# Altium PCB PCB_WINGLET_V1P_OSR.PcbDoc (part 2 of 4) (continued)
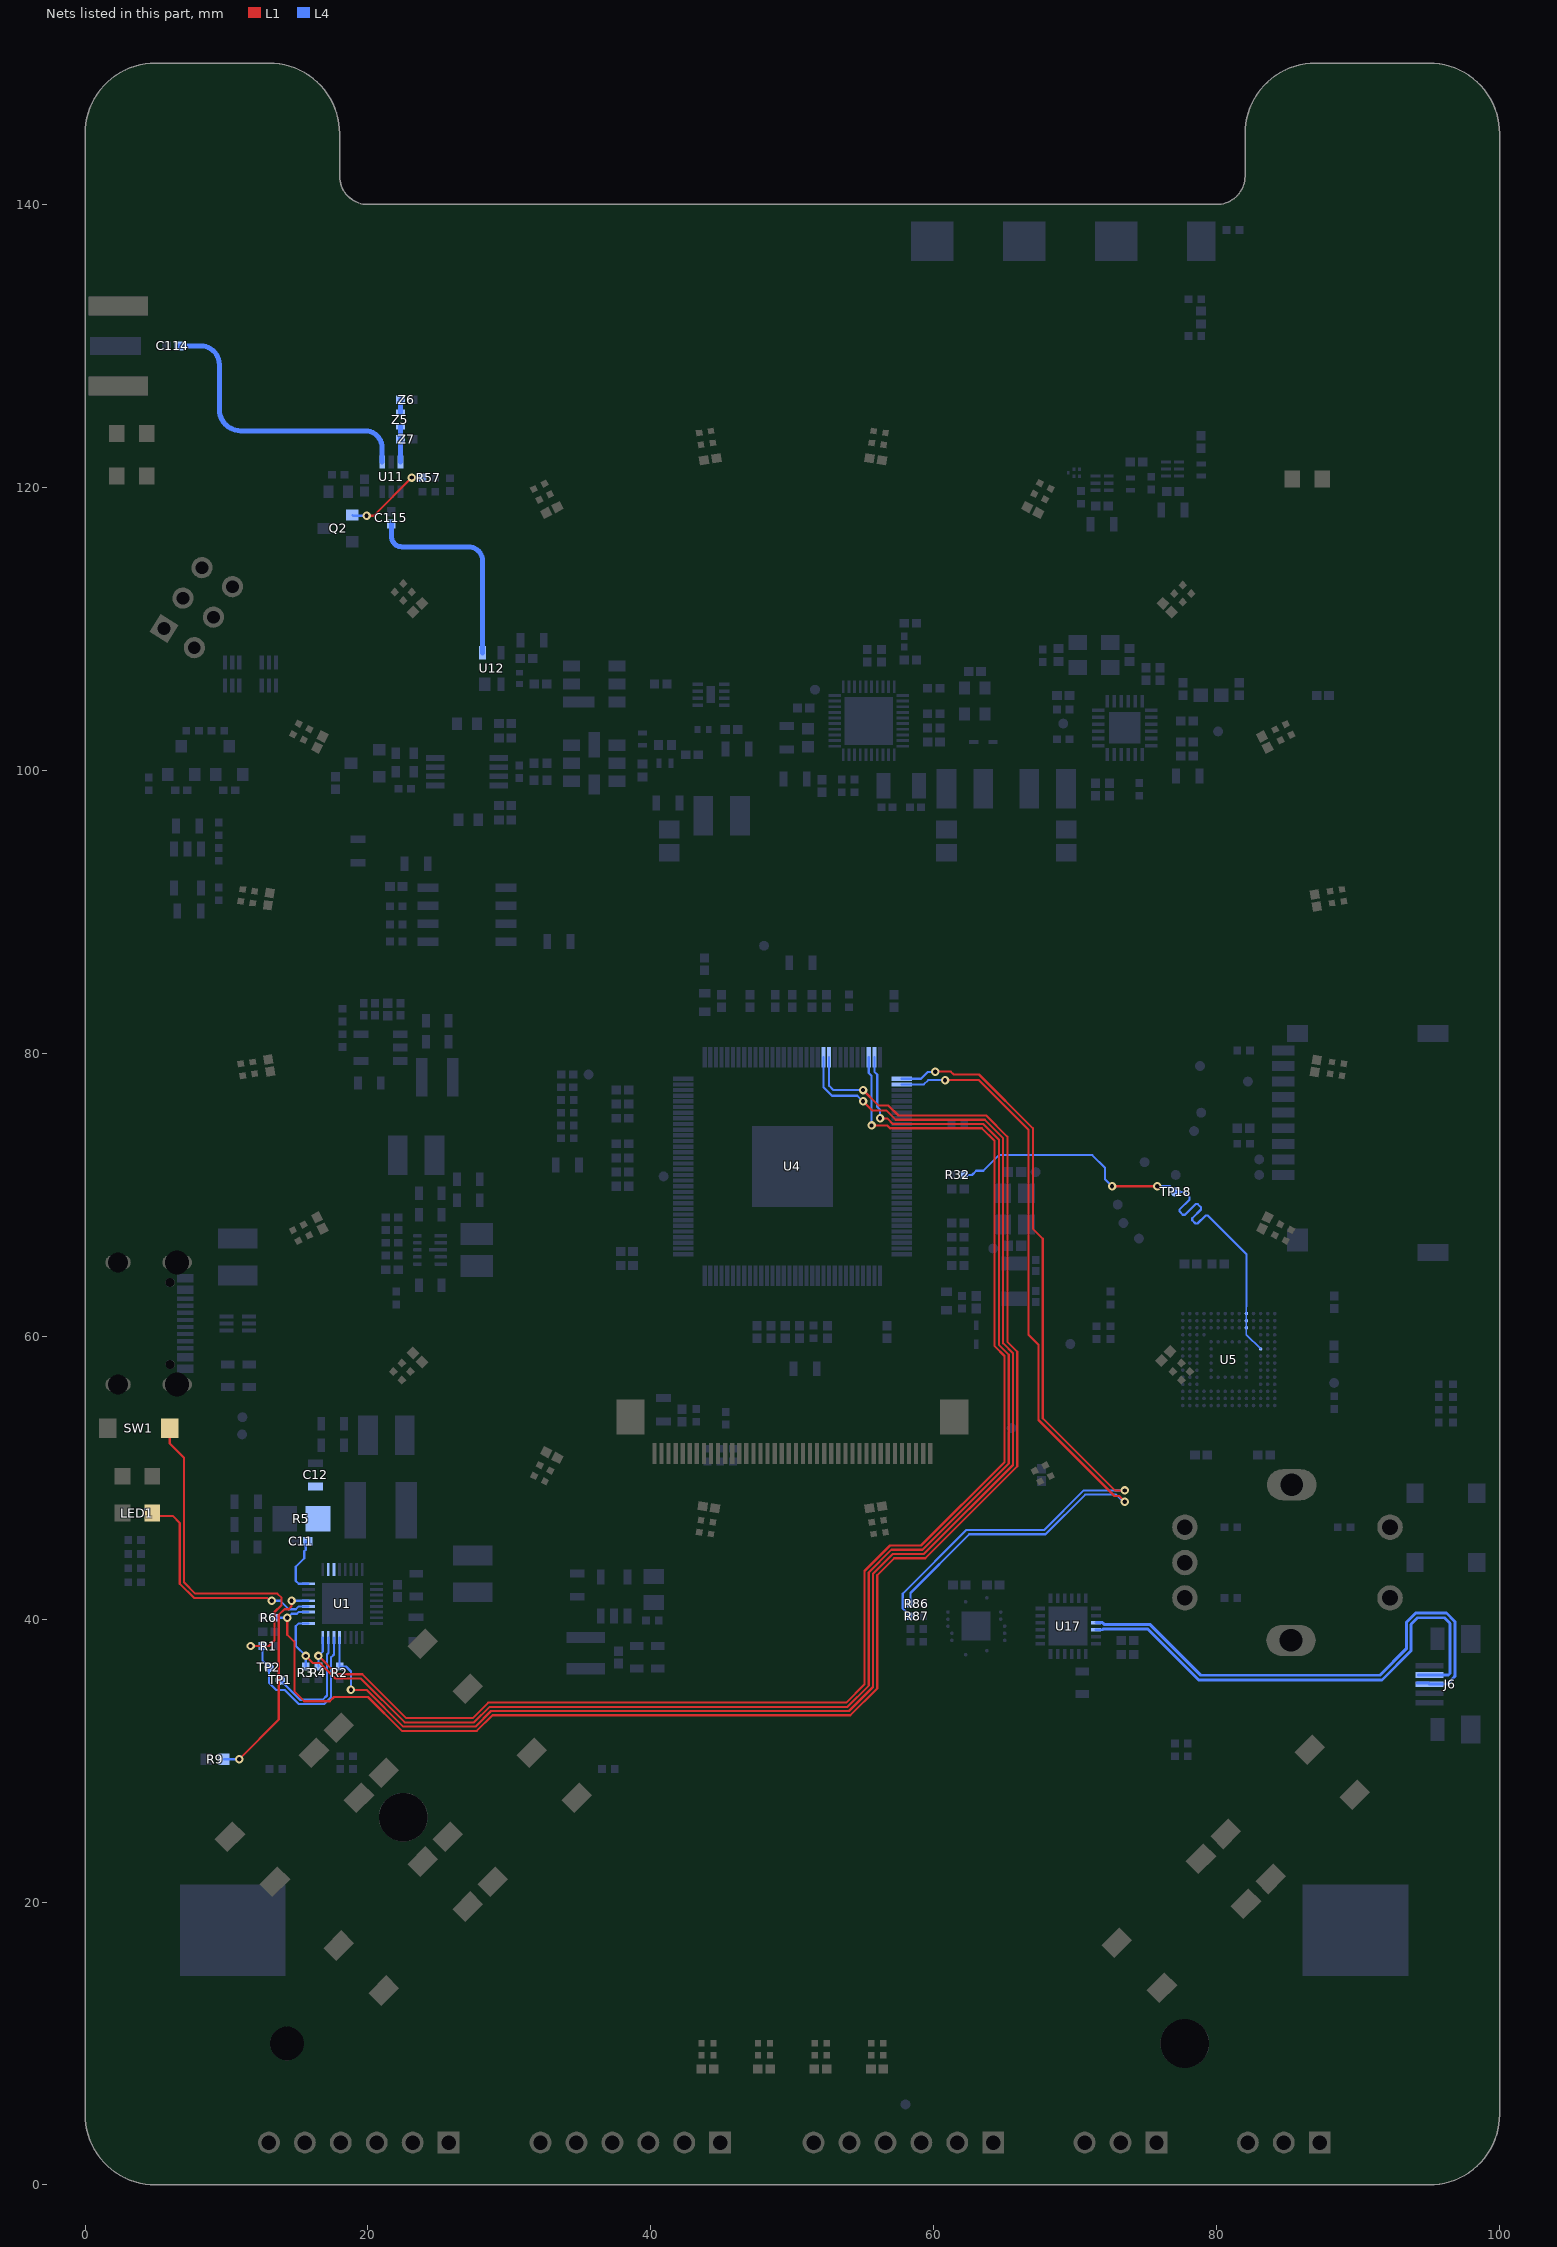
[diagram p4: the nets of this part, all layers, seen from the top]
## Part data (continued)
L6 L7: library part CMP-06042-011849-1, "Wire Wound RF Inductor 6.8nH ±3% 700mA 0.09Ω 0402 (1005) / LQW15AN6N8H00D", Case Code (Imperial)=0402, Case Code (Metric)=1005, Current=540mA, Current Rating=700mA, DC Resistance (DCR)=90mR, Inductance=6.8nH, Max Operating Temperature=125°C, Min Operating Temperature=-55°C, Package Quantity=10000, Resistor Type=Wirewound, Self Resonant Frequency=6GHz, Test Frequency=100MHz, Tolerance=3%, Case/Package=0402, Core Material=Air, DC Current=700mA, Depth=0.7mm, Height=0.5mm, Height - Seated (Max)=0.024inch, Length=1mm, Max DC Current=700mA, Military Standard=Not, Mount="Surface Mount", Packaging="Tape and Reel", Q Factor=25, Radiation Hardening=No, Shielding=Unshielded, Termination=SMD/SMT, Weight=2.8E-05oz, Width=0.02inch
L8: library part CMP-06042-000330-1, "Multilayer type RF Inductor 6.2nH ±0.3nH 0.19Ω 600mA 0402 / LQG15HN6N2S02D", Case Code (Imperial)=0402, Case Code (Metric)=1005, Current Rating=300mA, DC Resistance (DCR)=270mR, Inductance=6.2nH, Max Operating Temperature=125°C, Min Operating Temperature=-55°C, Package Quantity=1, Self Resonant Frequency=4.3GHz, Test Frequency=100MHz, Case/Package=0402, Core Material=Air, DC Current=300mA, Depth=0.55mm, Height=0.02inch, Height - Seated (Max)=0.022inch, Lead Free="Lead Free", Length=0.039inch, Max DC Current=300mA, Military Standard=Not, Mount="Surface Mount", Number of Pins=2, Packaging="Tape and Reel", Q Factor=8, Radiation Hardening=No, REACH SVHC="No SVHC", Shielding=Unshielded, Termination=SMD/SMT, Width=0.02inch
L9: library part CMP-08253-000367-1, "Shielded Multilayer Inductor 2.2uH ±20% 500mA 234mΩ SMD 0603 / MLZ1608N2R2LT000", Case Code (Imperial)=0603, Case Code (Metric)=1608, Current Rating=500mA, DC Resistance (DCR)=234mR, Inductance=2.2uH, Max Operating Temperature=125°C, Min Operating Temperature=-55°C, Package Quantity=4000, Saturation Current=110mA, Self Resonant Frequency=120MHz, Test Frequency=2MHz, Tolerance=20%, Case/Package=0603, Core Material=Ferrite, Height - Seated (Max)=0.037inch, Lead Free="Lead Free", Length=0.063inch, Mount="Surface Mount", Packaging="Tape and Reel", RoHS Compliant=Yes, Shielding=Shielded, Width=0.031inch
L10 L13: library part CMP-06042-005854-1, "Wire Wound RF Inductor 7.3nH ±3% 570mA 0.13Ω 0402 (1005) / LQW15AN7N3H00D", Case Code (Imperial)=0402, Case Code (Metric)=1005, Current Rating=570mA, DC Resistance (DCR)=130mR, Inductance=7.3nH, Max Operating Temperature=125°C, Min Operating Temperature=-55°C, Package Quantity=10000, Resistor Type=Wirewound, Self Resonant Frequency=6GHz, Test Frequency=100MHz, Tolerance=3%, Case/Package=0402, Core Material=Non-Magnetic, DC Current=570mA, Depth=0.7mm, DNP=DNP, Height=0.5mm, Height - Seated (Max)=0.024inch, Length=1mm, Max DC Current=570mA, Military Standard=Not, Mount="Surface Mount", Packaging="Tape and Reel", Q Factor=25, Radiation Hardening=No, Shielding=Unshielded, Termination=SMD/SMT, Weight=2.8E-05oz, Width=0.02inch
L11 L12: library part CMP-06042-006384-1, "Multilayer type RF Inductor 68nH ±5% 0.92Ω 250mA 0402 / LQG15HS68NJ02D", Case Code (Imperial)=0402, Case Code (Metric)=1005, Current Rating=180mA, DC Resistance (DCR)=920mR, Inductance=68nH, Max Operating Temperature=125°C, Min Operating Temperature=-55°C, Package Quantity=1, Self Resonant Frequency=800MHz, Test Frequency=100MHz, Tolerance=5%, Case/Package=0402, Core Material=Air, DC Current=180mA, Depth=0.55mm, Height=0.5mm, Height - Seated (Max)=0.022inch, Lead Free="Lead Free", Length=1mm, Max DC Current=180mA, Military Standard=Not, Mount="Surface Mount", Packaging="Tape and Reel", Q Factor=8, Radiation Hardening=No, Shielding=Unshielded, Termination=SMD/SMT, Width=0.02inch
LED1: library part CMP-1426-00007-1, "LED RED 0805", Color=Green, Manufacturer="Wuerth Elektronik", PartNumber=150080GS75000, ComponentLink1Description="Manufacturer URL", ComponentLink1URL=http://www.we-online.com, ComponentLink2Description=Datasheet, ComponentLink2URL=http://katalog.we-online.com/led/datasheet/150080GS75000.pdf, PackageReference=0805_A
LED2 LED3 LED4 LED29: library part CMP-1426-00007-1, "SMD mono-color Chip LED, WL-SMCW, Green / 150080GS75000", Color=Green, Manufacturer="Wuerth Elektronik", PartNumber=150080GS75000, ComponentLink1Description="Manufacturer URL", ComponentLink1URL=http://www.we-online.com, ComponentLink2Description=Datasheet, ComponentLink2URL=http://katalog.we-online.com/led/datasheet/150080GS75000.pdf, PackageReference=0805_A
LED5 LED6 LED7 LED8 LED9 LED10 LED11 LED12 LED13 LED14 LED15 LED16 LED17 LED18 LED19 LED20 LED21 LED22 LED23 LED24 LED25 LED26 LED27 LED28: "1010 RGB WS2812B LED 3.5-5.5V"
P1 P2: library part CMP-1024-00333-1, "0.025\" SQ Post Header, Through-hole, Vertical, -55 to 125 degC, 2.54 mm Pitch, 3-Pin, Male, RoHS", Manufacturer=Samtec, Temperature Range="-55 to 125 degC", ComponentLink1Description="Manufacturer URL", ComponentLink1URL=http://www.samtec.com, ComponentLink2Description=Datasheet, ComponentLink2URL=http://www.samtec.com/documents/webfiles/pdf/TSW_TH.PDF, ComponentLink3Description="Package Specification", ComponentLink3URL=http://www.samtec.com/documents/webfiles/cpdf/TSW-XXX-XX-XXX-X-XX-XXX-MKT.pdf, DatasheetVersion=F-214, Mounting Technology=Through-hole, Orientation=Vertical, PackageDescription=".025[0.64] SQ. Post Terminal Strip Assembly", PackageReference=TSW-103-07-X-S, PackageVersion="DM, 8/1988", PartNumber=TSW-103-07-G-S, Pitch="2.54 mm", RoHS=True
P3 P4 P5: library part CMP-1024-00385-1, "0.025\" SQ Post Header, Through-hole, Vertical, -55 to 125 degC, 2.54 mm Pitch, 6-Pin, Male, RoHS", Manufacturer=Samtec, Temperature Range="-55 to 125 degC", ComponentLink1Description="Manufacturer URL", ComponentLink1URL=http://www.samtec.com, ComponentLink2Description=Datasheet, ComponentLink2URL=http://www.samtec.com/documents/webfiles/pdf/TSW_TH.PDF, ComponentLink3Description="Package Specification", ComponentLink3URL=http://www.samtec.com/documents/webfiles/cpdf/TSW-XXX-XX-XXX-X-XX-XXX-MKT.pdf, DatasheetVersion=F-214, Mounting Technology=Through-hole, Orientation=Vertical, PackageDescription=".025[0.64] SQ. Post Terminal Strip Assembly", PackageReference=TSW-106-07-X-S, PackageVersion="DM, 8/1988", PartNumber=TSW-106-07-F-S, Pitch="2.54 mm", RoHS=True
Q1 Q2: library part CMP-1048-00685-1, "General Purpose Transistor, NPN Silicon, 3-Pin SOT-23, Tape and Reel", Manufacturer="On Semiconductor", ComponentLink1Description="Manufacturer URL", ComponentLink1URL=http://www.onsemi.com/, ComponentLink2Description=Datasheet, ComponentLink2URL=http://www.onsemi.cn/pub_link/Collateral/BC846ALT1-D.PDF, ComponentLink3Description="Package Specification", ComponentLink3URL=http://www.onsemi.cn/pub_link/Collateral/318-08.PDF, DatasheetVersion="Rev. 11", fT Min (MHz)=100, IC Continuous (A)=0.1, Mounting Technology="Surface Mount", PackageDescription="3-Pin Small Outline Transistor, Body 2.92 x 1.3 mm, Pitch 0.95 mm", PackageReference=SOT-23-3-318-08, PackageVersion="Rev. AP, 11/2009", Packing="Tape and Reel", PartNumber=BC848BLT1, Polarity=NPN, RoHS=FALSE
Q3 Q4: library part CMP-12801-000062-2, "MOSFET P-CH 30V SOT23", Case/Package=SOT-23, Continuous Drain Current (ID)=3.8A, Drain to Source Resistance=65mR, Drain to Source Voltage (Vdss)=-30V, Gate to Source Voltage (Vgs)=20V, Input Capacitance=563pF, Max Operating Temperature=150°C, Max Power Dissipation=1.08W, Min Operating Temperature=-55°C, Package Quantity=3000, Threshold Voltage=-2.1V, Contact Plating=Tin, Element Configuration=Single, Fall Time=15ns, Height=1.1mm, Lead Free="Lead Free", Length=3mm, Mount="Surface Mount", Number Of Channels=1, Number of Pins=3, Packaging="Tape and Reel", Radiation Hardening=No, Rds On Max=65mR, REACH SVHC="No SVHC", Rise Time=5ns, Turn-Off Delay Time=31ns, Turn-On Delay Time=4.8ns, Weight=0.000282oz, Width=1.4mm
R1 R2 R3 R4 R6 R7 R8 R10 R11 R15 R17 R23 R29 R31 R33 R34 R36 R37 R38 R43 R44 R45 R47 R48 R49 R53 R55 R57 R60 R61 R63 R64 R66 R67 R68 R69 R70 R72 R73 R75 R76 R78 R79 R80 R81 R85 R90 R91 R92 R93 Z2 Z3 Z4 Z10: library part CMP-2000-07588-1, "Chip Resistor, 10 KOhm, +/- 1%, 0.1 W, -55 to 155 degC, 0402 (1005 Metric), RoHS, Tape and Reel / ERJ2RKF1002X", Case Code (Imperial)=0402, Case Code (Metric)=1005, Manufacturer=Panasonic, Max Operating Temperature=155degC, Max Power Dissipation=100mW, Min Operating Temperature=-55degC, Package Description="2-Pin Surface Mount Device, Body 1 x 0.5 mm", Package Quantity=1, Package Reference=402, Resistance=10KOhm, Temperature Coefficient=100ppm\/degreesC, Tolerance=1%, Voltage Rating=50V, Case\/Package=0402, Composition=ThickFilm, Contact Plating=Tin, Datasheet URL=https://industrial.panasonic.com/cdbs/www-data/pdf/RDA0000/AOA0000C304.pdf, Datasheet Version=02/2017, Depth=0.5mm, Height=0.35mm, Lead Free=LeadFree, Length=1mm, Manufacturer URL=http://www.panasonic.com/, Military Standard=Not, Mount=SurfaceMount, Mounting Technology=SurfaceMount, Number of Pins=2, Number of Terminations=2, Packaging=TapeandReel, Power Rating=100mW, Radiation Hardening=No, REACH SVHC=NoSVHC, RoHSCompliant=True, Termination=SMD/SMT, Voltage Rating (DC)=50V, Width=0.02inch
  R15 R92 R93 Z3: DNP=DNP
R5: library part CMP-2003-00764-2, "RES 0.01 OHM 1% 1W 1206 / ERJ-8BWFR010V", Case Code (Imperial)=1206, Case Code (Metric)=3216, Max Operating Temperature=155°C, Max Power Dissipation=1W, Min Operating Temperature=-55°C, Package Quantity=1, Resistance=10mR, Resistance Tolerance=1%, Resistor Type="Thick Film", Temperature Coefficient=200ppm/°C, Case/Package=1206, Construction=Rectangular, Contact Plating=Tin, Depth=1.6mm, Features="Automotive AEC-Q200", Height=0.65mm, Lead Free="Lead Free", Length=3.2mm, Military Standard=Not, Mount="Surface Mount", Number of Terminations=2, Packaging="Tape and Reel", Power Rating=1W, Radiation Hardening=No, REACH SVHC="No SVHC", RoHS Compliant=Yes, Series=ERJ, Size Code=1206, Technology="THICK FILM", Termination=SMD/SMT, Tolerance=1%, Width=1.6mm
R9: library part CMP-05419-000002-1, "THERMISTOR NTC 10KOHM 3380K 0603 / ERT-J1VG103JA", Case Code (Imperial)=0603, Case Code (Metric)=1608, Max Operating Temperature=125°C, Max Power Dissipation=100mW, Min Operating Temperature=-40°C, Package Quantity=4000, Resistance=10kR, Resistance Tolerance=5%, Accuracy=1%, Case/Package=0603, Depth=0.8mm, Lead Free="Lead Free", Length=1.6mm, Mount="Surface Mount", Number of Pins=2, Packaging="Tape and Reel", Radiation Hardening=No, REACH SVHC="No SVHC", RoHS Compliant=Yes, Series=ERT-J, Termination=SMD/SMT, Tolerance=5%, Width=800um
R12 R13 R14 R16 R20 R21 R22 R27 R28 R77 R84: library part CMP-2002-07343-1, "RC0402FR-07100KL", Manufacturer="Yageo / Phycomp", Part Number=RC0402FR-07100KL
  R20: DNP=DNP
R18: library part CMP-2000-07588-1, Case Code (Imperial)=0402, Case Code (Metric)=1005, Manufacturer=Panasonic, Max Operating Temperature=155degC, Max Power Dissipation=100mW, Min Operating Temperature=-55degC, Package Description="2-Pin Surface Mount Device, Body 1 x 0.5 mm", Package Quantity=1, Package Reference=402, Resistance=10KOhm, Temperature Coefficient=100ppm\/degreesC, Tolerance=1%, Voltage Rating=50V, Case\/Package=0402, Composition=ThickFilm, Contact Plating=Tin, Datasheet URL=https://industrial.panasonic.com/cdbs/www-data/pdf/RDA0000/AOA0000C304.pdf, Datasheet Version=02/2017, Depth=0.5mm, Height=0.35mm, Lead Free=LeadFree, Length=1mm, Manufacturer URL=http://www.panasonic.com/, Military Standard=Not, Mount=SurfaceMount, Mounting Technology=SurfaceMount, Number of Pins=2, Number of Terminations=2, Packaging=TapeandReel, Power Rating=100mW, Radiation Hardening=No, REACH SVHC=NoSVHC, RoHSCompliant=True, Termination=SMD/SMT, Voltage Rating (DC)=50V, Width=0.02inch
R19: library part CMP-2000-07588-1, "RC0402FR-07150KL", Case Code (Imperial)=0402, Case Code (Metric)=1005, Manufacturer=Panasonic, Max Operating Temperature=155degC, Max Power Dissipation=100mW, Min Operating Temperature=-55degC, Package Description="2-Pin Surface Mount Device, Body 1 x 0.5 mm", Package Quantity=1, Package Reference=402, Resistance=10KOhm, Temperature Coefficient=100ppm\/degreesC, Tolerance=1%, Voltage Rating=50V, Case\/Package=0402, Composition=ThickFilm, Contact Plating=Tin, Datasheet URL=https://industrial.panasonic.com/cdbs/www-data/pdf/RDA0000/AOA0000C304.pdf, Datasheet Version=02/2017, Depth=0.5mm, Height=0.35mm, Lead Free=LeadFree, Length=1mm, Manufacturer URL=http://www.panasonic.com/, Military Standard=Not, Mount=SurfaceMount, Mounting Technology=SurfaceMount, Number of Pins=2, Number of Terminations=2, Packaging=TapeandReel, Power Rating=100mW, Radiation Hardening=No, REACH SVHC=NoSVHC, RoHSCompliant=True, Termination=SMD/SMT, Voltage Rating (DC)=50V, Width=0.02inch
R24 R26 R56 R58: library part CMP-2000-04300-1, "RC0603JR-100RL", Manufacturer=Yageo, Part Number=RC0603JR-100RL
R25: library part CMP-1665-00034-1, "Chip Resistor, 240 Ohm, +/- 1%, 100 mW, -55 to 155 degC, 0402 (1005 Metric), RoHS, Tape and Reel, ERJ-2RKF2400X", Case Code (Imperial)=0402, Case Code (Metric)=1005, Max Operating Temperature="155 degC", Min Operating Temperature="-55 degC", Package Quantity=10000, PartNumber=ERJ-2RKF2400X, Power Rating="100 mW", Resistance="240 Ohm", Tolerance=1%, Voltage Rating="50 V", Case\/Package=0402, ComponentLink1Description="Manufacturer URL", ComponentLink1URL=http://www.panasonic.com/, ComponentLink2Description=Datasheet, ComponentLink2URL=http://industrial.panasonic.com/cdbs/www-data/pdf/RDA0000/AOA0000C86.pdf, DatasheetVersion=04/2015, DNP=DNP, Height="0.35 mm", Length="1 mm", Mount="Surface Mount", Mounting Technology="Surface Mount", PackageDescription="2-Pin Surface Mount Device, Body 1 x 0.5 mm", PackageReference=0402, Packaging="Tape and Reel", Pins=2, Radiation Hardening=No, REACH SVHC=Unknown, RoHSCompliant=true, Width="0.5 mm"
R30 R32 R35 R39 R40 R41 R50 R51 R52 R65 R71 R74 R82 R83 R86 R87 R88 R89: library part CMP-2002-01146-1, "ERJ2RKF33R0X", Manufacturer=Panasonic, Part Number=ERJ2RKF33R0X
R42: library part CMP-2001-03654-1, "CRCW08051R30JNEA", Manufacturer="Vishay Dale", Part Number=CRCW08051R30JNEA
R46: library part CMP-2000-07588-1, Case Code (Imperial)=0402, Case Code (Metric)=1005, Manufacturer=Panasonic, Max Operating Temperature=155degC, Max Power Dissipation=100mW, Min Operating Temperature=-55degC, Package Description="2-Pin Surface Mount Device, Body 1 x 0.5 mm", Package Quantity=1, Package Reference=402, Resistance=24KOhm, Temperature Coefficient=100ppm\/degreesC, Tolerance=1%, Voltage Rating=50V, Case\/Package=0402, Composition=ThickFilm, Contact Plating=Tin, Datasheet URL=https://industrial.panasonic.com/cdbs/www-data/pdf/RDA0000/AOA0000C304.pdf, Datasheet Version=02/2017, Depth=0.5mm, Height=0.35mm, Lead Free=LeadFree, Length=1mm, Manufacturer URL=http://www.panasonic.com/, Military Standard=Not, Mount=SurfaceMount, Mounting Technology=SurfaceMount, Number of Pins=2, Number of Terminations=2, Packaging=TapeandReel, Power Rating=100mW, Radiation Hardening=No, REACH SVHC=NoSVHC, RoHSCompliant=True, Termination=SMD/SMT, Voltage Rating (DC)=50V, Width=0.02inch
R54 R59 R62: library part CMP-1659-00008-4, "Chip Resistor, 10 Ohm, +/- 1%, 0.1 W, -55 to 155 degC, 0603 (1608 Metric), RoHS, Tape and Reel / RC0603FR-0710RL", Manufacturer=Yageo, Max Operating Temperature="155 degC", Min Operating Temperature="-55 degC", Package Quantity=200, Voltage Rating="50 V", ComponentLink1Description="Manufacturer URL", ComponentLink1URL=http://www.yageo.com/, ComponentLink2Description=Datasheet, ComponentLink2URL=http://www.yageo.com/documents/recent/PYu-RC_Group_51_RoHS_L_04.pdf, ComponentLink3Description="Package Specification", ComponentLink3URL=http://www.farnell.com/datasheets/443971.pdf, DatasheetVersion="Rev. 4, 02/2016", Height="0.45 mm", Length="1.6 mm", Mount="Surface Mount", Mounting Technology="Surface Mount", PackageDescription="2-Pin Surface Mount Device, Body 1.6 x 0.8 mm", PackageReference=0603, Packaging="Tape and Reel", Pins=2, REACH SVHC="No SVHC", RoHSCompliant=true
SW1 SW9 SW10: "SMD SPST Tactile Switch / C843669"
SW2: "EC11L1525G01 Rotary Encoder with Pushbutton"
SW3 SW4 SW5 SW6 SW7 SW8: library part SMD_SW_MED, "SMD SPST Tactile Switch / C5127964"
TP1 TP2 TP3 TP4 TP5 TP6 TP7 TP8 TP9 TP10 TP11 TP12 TP13 TP14 TP15 TP16 TP17 TP18 TP19 TP20 TP21 TP22 TP23 TP24 TP25 TP26 TP27 TP28: library part TP_07, "TESTPOINT SINGLE LAYER 0.7MM", Package=BOARD_FEATURE, AEC-Q=Yes, Mounting=Unknown, PPAP=Unknown, RoHS=Yes, Selective Soldering=No, Washable=Yes
U1: "AXP2585 Single Cell NVDC BMU with E-gauge"
U2: library part CMP-04918-000005-1, "IC POWER MANAGEMENT", Manufacturer="Texas Instruments", Max Junction Temp=+125°C, Max Supply Voltage=5.5V, Min Supply Voltage=1.3V, Nominal Supply Current=11uA, Output Current=2A, Output Voltage=1.8-5.2V, Package=DLA0010A, Switching Frequency=1.4/1.6/2.1MHz, Temperature="-40°C to +125°C", Temperature Range Low=-40°C, Automotive=No, Category=IC, ComponentLink2Description=Datasheet, ComponentLink2URL=https://www.ti.com/lit/ds/symlink/tps63802.pdf, Device Class L1="Integrated Circuits (ICs)", Device Class L2="Power Management ICs", Device Class L3="Voltage Regulators - Switching", Digikey Description="IC POWER MANAGEMENT", Height=1mm, Lead Free=Yes, Manufacturer Part Number=TPS63802DLAR, Max Duty Cycle=100%, Mouser Description="2-A, high-efficient, 11-µA quiescent current buck-boost converter in QFN/DFN package 10-VSON-HR -40 to 125", Number Of Outputs=1, Octopart=https://octopart.com/tps63802dlar-texas+instruments-97359678, Output Type=AdjustableProgrammable, RoHS=TRUE, Standoff Height=0mm, Switching Topology=Buck-Boost, Temperature Range High=+125°C
U3: "1.5A 2MHz 5.5V Synchronous Buck Converter"
U4: "Allwinner Dual-core ARM Cortex-A7 Smart Control and Display SoC"
U5: "FLASH - NAND (MLC) Memory IC 32Gb (4G x 8) eMMC 5.1 153-FBGA (11.5x13)"
U6: "1A 1.5MHz STEP-DOWN CONSTANT CURRENT, HIGH EFFICIENCY LED DRIVER"
U7: "Single-chip IEEE 812.11b/g/n 1T1R WLAN"
U8 U9: library part CMP-05725-000003-1, "GPS Amp Single Low Noise 1.75GHz 3.6V 6-Pin UDFN", Contact Plating=Gold, Number of Pins=6
U10: "GNSS/BDS Satellite Positioning SOC"
U11: library part PE4259, "SPDT High Power UltraCMOS®   / 10 MHz–3.0 GHz RF Switch"
U12: "50Ω 0.05 to 4 GHz Ultra-Low Noise MMIC Amplifier"
U13: "5 MHz to 4000 MHz, Low-Noise SiGe HBT MMIC Amplifier"
U14: "0.1 GHz to 2.5 GHz 70 dB Logarithmic Detector/Controller"
U15: "Triple, 6th Order, Standard Definition Video Filter Driver"
U16: "Low Loss Power Distribution Switch"
U17: library part CMP-08107-000002-1, "IC SGL USB-DL UART BRIDGE 24QFN", Ambient Temperature Range High=+125°C, Ambient Temperature Range Low=-55°C, Manufacturer="Silicon Labs", Max Supply Voltage=5.25V, Min Supply Voltage=1.8V, Nominal Supply Current=17mA, Temperature="-40°C to +85°C", Temperature Range High=+85°C, Temperature Range Low=-40°C, Automotive=No, Category=IC, ComponentLink2Description=Datasheet, ComponentLink2URL=https://www.silabs.com/documents/public/data-sheets/CP2105.pdf, Device Class L1="Integrated Circuits (ICs)", Device Class L2="Interface ICs", Device Class L3=Controllers, Digikey Description="IC SGL USB-DL UART BRIDGE 24QFN", Function="Bridge, USB to UART", Height=0.8mm, Interface=UART,USB, Ipc Land Pattern Name=QFN50P400X400X75-24, Lead Free=Yes, Manufacturer Part Number=CP2105-F01-GMR, Mouser Description="I/O Controller Interface IC USB to Dual UART bridge", Octopart=https://octopart.com/cp2105-f01-gmr-silicon+labs-19668643, Package=CP2105-F01-GMR, RoHS=TRUE, Standoff Height=0mm
U18: library part CMP-04899-000011-1, "IC TRNSLTR BIDIRECTIONAL 14VQFN", Ambient Temperature Range High=+85°C, Ambient Temperature Range Low=-40°C, Manufacturer="Texas Instruments", Max Junction Temp=+150°C, Max Supply Voltage=5.5V, Min Supply Voltage=1.2V, Nominal Supply Current=0.06-3.5uA, Package=RGY0014A, Temperature="-40°C to +85°C", Automotive=No, Category=IC, ComponentLink2Description=Datasheet, ComponentLink2URL=http://www.ti.com/lit/ds/symlink/txb0104.pdf, Data Rate=100Mbits/s, Device Class L1="Integrated Circuits (ICs)", Device Class L2="Logic ICs", Device Class L3="Voltage Level Shifters", Digikey Description="IC TRNSLTR BIDIRECTIONAL 14VQFN", Height=1mm, Lead Free=Yes, Logic Function Desc=Non-Inverting, Manufacturer Part Number=TXB0104RGYR, Mouser Description="4-Bit Bidirectional Voltage-Level Shifter with Auto Direction Sensing and +/-15 kV ESD Protect 14-VQFN -40 to 85", Number of Circuits=1, Number of Inputs=4, Number Of Outputs=4, Octopart=https://octopart.com/txb0104rgyr-texas+instruments-1485948, Propagation Delay=4ns, RoHS=TRUE, Standoff Height=0mm, Temperature Range High=+85°C, Temperature Range Low=-40°C, V A Max=3.6V, V A Min=1.2V, V B Max=5.5V, V B Min=1.65V
X1 X5: library part CMP-2000-07587-1, "Tuning Fork Crystal, 32.768 KHz, +/- 20 ppm, -40 to 85 degC, 2-Pin SMD, RoHS, Tape and Reel, PN ABS07-120-32.768KHZ-T", Case\/Package=SMD/SMT, ESR (Equivalent Series Resistance)=55KOhm, Frequency=32.768KHz, Frequency Tolerance=20ppm, Load Capacitance=6pF, Manufacturer=Abracon, Max Operating Temperature=85degC, Min Operating Temperature=-40degC, Package Description="2-Pin Surface Mount Device, Body 3.2 x 1.5 mm", Package Quantity=3000, Package Reference=ABS07, Series Resistance=60KOhm, Datasheet URL=http://www.abracon.com/Resonators/ABS07-120-32.768kHz-T.pdf, Datasheet Version=11/2014, Depth=1.5mm, Height=0.035inch, Lead Free=LeadFree, Length=3.2mm, Manufacturer URL=http://www.abracon.com/, Mount=SurfaceMount, Mounting Technology=SurfaceMount, Number of Pins=2, Packaging=TapeandReel, Radiation Hardening=No, REACH SVHC=NoSVHC, RoHSCompliant=True, Termination=SMD/SMT, Tolerance=20ppm, Width=0.061inch
X2: library part CMP-18717-000454-1, "Crystal 24MHz, 30ppm, 12pF, 50Ω / 7M-24.000MAAE-T", Case/Package=SMD/SMT, ESR (Equivalent Series Resistance)=60R, Frequency Stability=30ppm, Load Capacitance=12pF, Max Operating Temperature=70°C, Min Operating Temperature=-20°C, Package Quantity=3000, Depth=2.5mm, Frequency=24MHz, Frequency Tolerance=30ppm, Height=0.031inch, Length=0.126inch, Mount="Surface Mount", Number of Pins=4, Packaging="Tape and Reel", REACH SVHC="No SVHC", Series=7M, Width=0.098inch
X3: library part CMP-27762-008947-1, "Crystal 40MHz ±10ppm 10pF SMD-4 3.2mm x 2.5mm / ABM8-40.000MHZ-10-1-U-T", Case/Package=SMD/SMT, ESR (Equivalent Series Resistance)=35R, Frequency=40MHz, Frequency Stability=10ppm, Load Capacitance=10pF, Max Operating Temperature=60°C, Min Operating Temperature=-10°C, Operating Frequency="40 MHz", Package Quantity=1000, Resistor Type=Ceramic, Frequency Tolerance=10ppm, Height=0.031inch, Lead Free="Lead Free", Length=0.126inch, Mount="Surface Mount", Number of Pins=4, Packaging="Tape and Reel", Radiation Hardening=No, Series=ABM8, Termination=SMD/SMT, Tolerance=10ppm, Width=0.098inch
X4: library part CMP-40224-000034-1, "XTAL OSC TCXO 25.0000MHZ HCMOS / !!! SUBSTITUTE !!!", RoHS Compliant=Yes
Z1: library part CMP-2008-04764-1, "04023J1R6ABSTR", Manufacturer="AVX Interconnect / Elco", Part Number=04023J1R6ABSTR
Z5: library part CMP-06042-012069-1, "Wire Wound RF Inductor 14nH ±2% 1150mA 0.111Ω 0402 (1005) / LQW15AN14NG80D", Case Code (Imperial)=0402, Case Code (Metric)=1005, Current Rating=1.15A, DC Resistance (DCR)=111mR, Inductance=14nH, Max Operating Temperature=125°C, Min Operating Temperature=-55°C, Package Quantity=1, Resistor Type=Wirewound, Self Resonant Frequency=5.2GHz, Test Frequency=100MHz, Tolerance=2%, Case/Package=0402, Core Material=Non-Magnetic, Height=0.5mm, Height - Seated (Max)=0.024inch, Lead Free="Lead Free", Length=0.039inch, Max DC Current=1.15A, Mount="Surface Mount", Packaging="Tape and Reel", Q Factor=31, Shielding=Unshielded, Termination=SMD/SMT, Width=0.5mm
Z6 Z7: library part CMP-2008-04315-1, "GRM1555C1H2R0CA01D", Manufacturer=Murata, Part Number=GRM1555C1H2R0CA01D
  Z7: DNP=DNP
Z8 Z9: library part CMP-2008-04829-1, Manufacturer="AVX Interconnect / Elco", Part Number=0402YJ100FBSTR

## Via types
v1: diameter 0.6, hole 0.3, L1 to L4, tented both sides, 1103 vias
v2: diameter 0.61, hole 0.305, L1 to L4, tented both sides, 8 vias
v3: diameter 5, hole 3.2, L1 to L4, 3 vias
v4: diameter 10, hole 7, L1 to L4, 2 vias
v5: diameter 0.5, hole 0.3, L1 to L4, tented both sides, 1 vias

## Nets (pads, with @x,y where several pads share a name; then routed paths per layer and width w, separated by ;. In a path a pad name is that pad's centre, name@x,y a point inside that pad or via, vN(x,y) a via of type N, cw(c..) or ccw(c..) an arc to the next point about the centre after c; other vN are vias at no path point)
ADSB_PCB_ANT: Z5.1 Z6.2 | length 0.9
  L4 w0.356: Z5.1@22.3,125.305 Z6.2@22.3,126.2
ANT_IN: C115.2 U12.3 | length 14.8
  L4 w0.356: C115.2@21.65,117.41 21.65,116.55 ccw(c22.4,116.55) 22.4,115.8 27.1,115.8 cw(c27.1,114.8) 28.1,114.8 U12.3@28.1,108.3
ANT_RF1: C114.2 U11.1 | length 20.8
  L4 w0.356: C114.2@6.64,130 8.184,130 cw(c8.184,128.684) 9.5,128.684 9.5,125.5 ccw(c11,125.5) 11,124 19.8,124 cw(c19.8,122.8) 21,122.8 U11.1@21,121.8
ANT_RF2: U11.3 Z5.2 Z7.2 | length 2.5
  L4 w0.356: U11.3@22.3,121.8 Z7.2@22.3,123.4 Z5.2@22.3,124.295
ASW_NPN: Q2.1 R57.1 | length 6.1
  L1 w0.152: v1(19.9,118) 20.4,118 v1(23.1,120.7)
  L4 w0.152: Q2.1@18.9,118.05 18.95,118 v1(19.9,118) ; v1(23.1,120.7) R57.1@23.85,120.7
BMU_BAT: C11.2 C12.2 R5.1 U1.8 U1.10 U1.11 | length 4.1
  L4 w0.152: C11.2@15.6,45.5 15.6,44.9 15.5,44.8 15.5,44.3 14.9,43.7 14.9,42.7 15.1,42.5 U1.8@15.8,42.5
BMU_CHGLED: LED1.1 U1.4 | length 16.6
  L1 w0.152: LED1.1@4.55,47.3 6.2,47.3 6.7,46.8 6.7,42.5 7.7,41.5 12.887,41.5 13.087,41.3 v1(13.2,41.3)
  L4 w0.152: v1(13.2,41.3) 13.8,41.3 14.4,40.7 14.9,40.7 15.1,40.9 U1.4@15.8,40.9
BMU_IRQ: R2.2 U1.29 U4.118 | length 104.2
  L1 w0.152: v1(18.8,35) 19.9,35 22.5,32.4 27.6,32.4 28.7,33.5 54,33.5 55.7,35.2 55.7,43.2 57.1,44.6 59.3,44.6 65.6,50.9 65.6,58.8 64.9,59.5 64.9,74 63.6,75.3 57.3,75.3 56.636,75.964 55.636,75.964 v1(55,76.6)
  L4 w0.152: U1.29@18,38.7 R2.2@18,36.65 18.45,36.65 18.8,36.3 v1(18.8,35) ; U4.118@52.2,79.725 52.2,77.6 52.8,77 54.6,77 v1(55,76.6)
BMU_NTC: R9.1 U1.5 | length 15.2
  L1 w0.152: v1(10.9,30.1) 13.7,32.9 13.7,40.3 14.1,40.7 14.4,40.7 14.6,40.9 v1(14.6,41.3)
  L4 w0.152: R9.1@9.826,30.1 v1(10.9,30.1) ; v1(14.6,41.3) U1.5@15.8,41.3
BMU_OTG: R6.2 U1.3 U4.119 | length 112.6
  L1 w0.152: v1(14.3,40.1) 14.3,38.9 14.8,38.4 14.8,34.9 15.5,34.2 17.3,34.2 17.6,34.5 20,34.5 22.4,32.1 27.7,32.1 28.8,33.2 54.1,33.2 56,35.1 56,43.1 57.2,44.3 59.4,44.3 65.9,50.8 65.9,58.9 65.2,59.6 65.2,74.1 63.7,75.6 57.5,75.6 56.8,76.3 56.1,76.3 v1(55,77.4)
  L4 w0.152: R6.2@13.45,40.1 v1(14.3,40.1) 14.335,40.1 14.613,40.378 14.978,40.378 15.1,40.5 U1.3@15.8,40.5 ; U4.119@52.6,79.725 52.6,77.7 52.9,77.4 v1(55,77.4)
BMU_PWROK: TP1.1 U1.31 | length 8.1
  L4 w0.152: TP1.1@13.8,35.7 15.2,34.3 16.8,34.3 17.1,34.6 17.1,37.5 17.2,37.6 U1.31@17.2,38.7
BMU_PWRON: R1.2 SW1.1 TP2.1 U1.30 | length 36.9
  L1 w0.152: SW1.1@5.985,53.5 5.985,52.415 7,51.4 7,42.6 7.8,41.8 13.6,41.8 13.9,41.5 13.9,41 13.4,40.5 13.4,38.5 13,38.1 v1(11.7,38.1)
  L4 w0.152: v1(11.7,38.1) R1.2@12.55,38.1 12.55,37.05 TP2.1@13,36.6 13,35.5 13.5,35 14.1,35 15.1,34 16.9,34 17.4,34.5 17.4,37.3 17.6,37.5 U1.30@17.6,38.7
BMU_TWI2_SCL: R4.2 U1.32 U4.126 | length 101.7
  L1 w0.152: v1(16.5,37.4) 17.8,36.1 19.6,36.1 22.7,33 27.4,33 28.5,34.1 53.8,34.1 55.1,35.4 55.1,43.4 56.9,45.2 59.1,45.2 65,51.1 65,58.6 64.3,59.3 64.3,73.8 63.4,74.7 56.9,74.7 56.7,74.9 v1(55.6,74.9)
  L4 w0.152: R4.2@16.5,36.65 v1(16.5,37.4) 16.8,37.7 U1.32@16.8,38.7 ; U4.126@55.4,79.725 55.4,78.6 55.6,78.4 v1(55.6,74.9)
BMU_TWI2_SDA: R3.2 U1.1 U4.127 | length 104.7
  L1 w0.152: v1(15.6,37.4) 16.1,36.9 16.6,36.9 17.7,35.8 19.5,35.8 22.6,32.7 27.5,32.7 28.6,33.8 53.9,33.8 55.4,35.3 55.4,43.3 57,44.9 59.2,44.9 65.3,51 65.3,58.7 64.6,59.4 64.6,73.9 63.5,75 57.1,75 56.7,75.4 v1(56.2,75.4)
  L4 w0.152: R3.2@15.6,36.65 v1(15.6,37.4) 14.9,38.1 14.9,39.5 15.1,39.7 U1.1@15.8,39.7 ; U4.127@55.8,79.725 55.8,78.7 56,78.5 56,76.2 56.195,76.005 56.195,75.405 v1(56.2,75.4)
DBG_USB_D_N: J6.2 U17.4 | length 35.4
  L4 w0.206: U17.4@71.475,39.25 71.928,39.25 71.978,39.3 75.129,39.3 78.727,35.703 91.673,35.703 93.733,37.762 93.733,39.633 94.2,40.1 96.1,40.1 96.498,39.702 96.498,36.171 96.377,36.05 J6.2@94.248,36.05
DBG_USB_D_P: J6.3 U17.3 | length 36.9
  L4 w0.206: U17.3@71.475,39.75 71.928,39.75 72.045,39.633 75.267,39.633 78.865,36.035 91.535,36.035 93.4,37.9 93.4,39.771 94.062,40.433 96.238,40.433 96.831,39.84 96.831,35.96 96.733,35.862 96.271,35.4 J6.3@95.048,35.4 94.95,35.497 J6.3@94.151,35.497
DSP_UART1_RX: R86.1 U4.2 | length 58.8
  L1 w0.152: v1(60.8,78.1) 63.2,78.1 66.7,74.6 66.7,60.1 67.4,59.4 67.4,54.076 72.776,48.7 73.1,48.7 v1(73.5,48.3)
  L4 w0.152: U4.2@57.725,77.8 59.3,77.8 59.6,78.1 v1(60.8,78.1) ; R86.1@58.35,41.1 58.35,41.85 62.5,46 67.9,46 70.7,48.8 72.887,48.8 73.387,48.3 v1(73.5,48.3)
DSP_UART1_TX: R87.1 U4.1 | length 60.4
  L1 w0.152: v1(60.1,78.7) 61.2,78.7 61.4,78.5 63.2,78.5 67,74.7 67,67.6 67.7,66.9 67.7,54.2 72.8,49.1 v1(73.5,49.1)
  L4 w0.152: U4.1@57.725,78.2 59.1,78.2 59.579,78.679 60.079,78.679 v1(60.1,78.7) ; R87.1@58.35,40.2 57.8,40.75 57.8,41.8 62.3,46.3 67.8,46.3 70.6,49.1 v1(73.5,49.1)
EMMC_CLK: R32.2 TP18.1 U5.K1 U5.K2 U5.K3 U5.M6 | length 35.1
  L1 w0.152: v1(72.6,70.6) v1(75.8,70.6)
  L4 w0.102: 82.1,62.1 U5.K1@82.1,61.6 U5.K2@82.1,61.1 U5.K3@82.1,60.6 82.1,60.1 U5.M6@83.1,59.1
  L4 w0.152: R32.2@62.15,71.4 62.7,71.4 63,71.7 63.5,71.7 64.6,72.8 71.2,72.8 72.1,71.9 72.1,71.1 v1(72.6,70.6) ; v1(75.8,70.6) 76.7,70.6 TP18.1@77.1,70.2 77.6,70.2 77.7,70.2 77.704,70.196 78.081,69.819 78.081,69.668 77.376,68.963 77.376,68.812 77.602,68.586 77.753,68.586 78.505,69.338 78.656,69.338 78.882,69.111 78.882,68.961 78.267,68.346 78.267,68.195 78.494,67.969 78.645,67.969 79.213,68.537 79.363,68.537 79.49,68.41 79.544,68.356 82.1,65.8 82.1,62.6 82.1,62.1